# Altium PCB Calipso V2.0 REV2.0.PcbDoc (part 4 of 4) (continued)
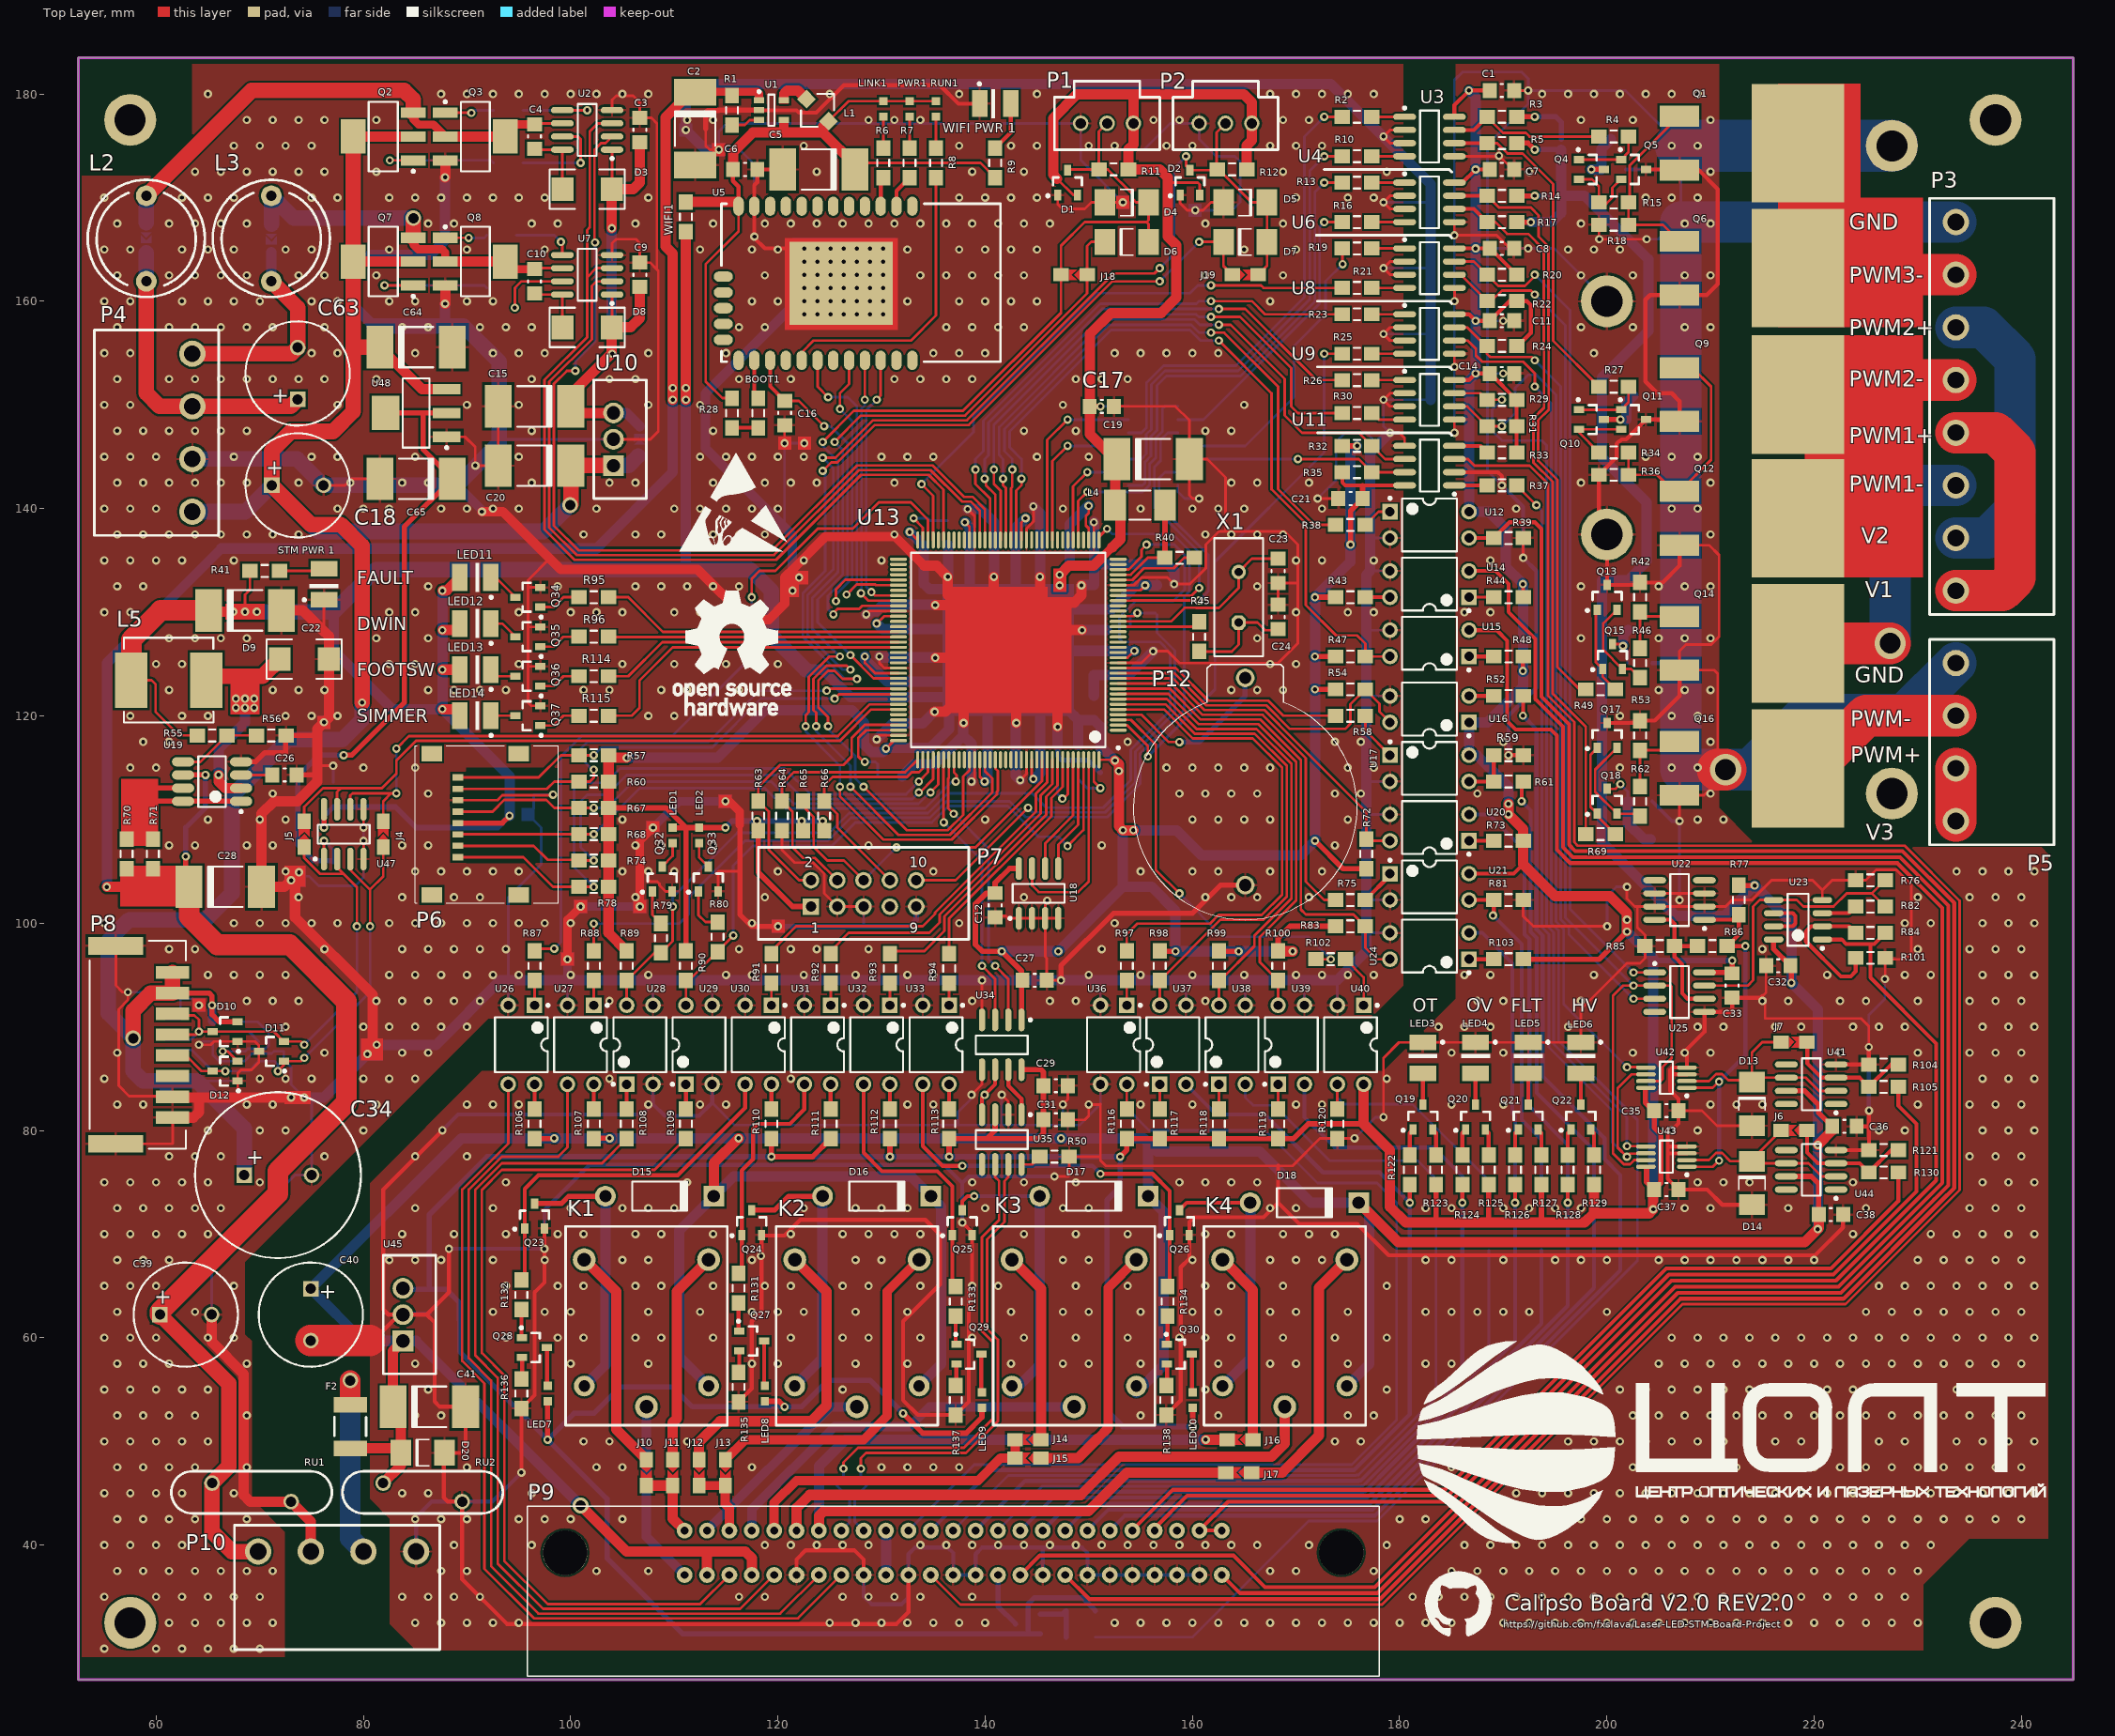
[diagram p0: Top Layer view]
## Nets (pads, with @x,y where several pads share a name; then routed paths per layer and width w, separated by ;. In a path a pad name is that pad's centre, name@x,y a point inside that pad or via, vN(x,y) a via of type N, cw(c..) or ccw(c..) an arc to the next point about the centre after c; other vN are vias at no path point) (continued)
  Bottom Layer w0.254: v1(100.457,153.289) 100.457,154.178 102.362,156.083 v1(102.362,165.681)
TIM1_CH2: U13.64
TIM1_CH2N: U13.63
TIM1_CH3: U13.66
TIM1_CH3N: U13.65
TIM1_CH4: U2.3 U7.3 U13.67 | length 94
  Top Layer w0.254: U7.3@104,163.195 102.476,163.195 101.587,162.306 ; U2.3@104,177.165 102.616,177.165 101.854,176.403 101.854,167.132 101.587,166.865 101.587,162.306 ; U13.67@135.99,136.965 135.99,141.813 134.547,143.256 128.023,143.256 119.83,135.063 100.388,135.063 97.485,137.966 97.485,152.422 101.587,156.524 101.587,162.306
USART1_CTS: U13.103
USART1_RTS: U13.104
USART2_CTS: U13.117
USART2_RTS: U13.118
USART2_RX: D2.3 D5.1 D7.2 J19.1 P2.2 R12.1 U13.122 | length 135.4
  Top Layer w0.254: v1(123.698,118.999) 123.698,120.3 123.444,120.554 123.444,123.571 124.714,124.841 126.619,124.841 v1(127,124.46) ; v1(124.333,144.907) 125.561,144.907 129.171,148.517 138.237,148.517 152.407,162.687 156.337,162.687 v1(156.845,163.195) ; v1(127,113.157) 131.645,108.512 136.586,108.512 140.681,112.607 140.681,113.966 139.99,114.657 U13.122@139.99,115.765 ; v1(159.385,173.99) 159.385,173.031 D2.3@159.766,172.65 R12.1@162.335,172.65 ; P2.2@163.195,177.165 162.335,176.305 R12.1@162.335,172.65 ; J19.1@166.35,162.56 167.2,163.41 D7.2@167.2,165.735 D5.1@167.2,169.545 165.712,169.545 162.537,172.72 R12.1@162.405,172.72 R12.1@162.335,172.65
  Bottom Layer w0.254: v1(123.698,118.999) 123.698,118.491 127,115.189 v1(127,113.157) ; v1(124.333,144.907) 125.349,143.891 125.349,134.112 122.863,131.626 122.863,127.823 126.226,124.46 v1(127,124.46) ; v1(156.845,163.195) 158.242,164.592 158.242,172.847 v1(159.385,173.99)
USART2_TX: D7.1 J19.0 U13.119 | length 109.3
  Top Layer w0.254: v1(124.333,143.637) 125.149,144.453 125.749,144.453 129.359,148.063 138.425,148.063 152.287,161.925 v1(156.845,161.925) ; v1(124.841,118.999) 124.841,119.888 123.898,120.831 123.898,123.383 124.848,124.333 125.482,124.333 126.244,123.571 v1(127.635,123.571) ; v1(128.27,113.157) 132.461,108.966 136.398,108.966 137.887,110.455 137.887,114.138 138.49,114.741 U13.119@138.49,115.765 ; v1(160.655,165.735) D7.1@163,165.735 163,163.41 J19.0@163.85,162.56
  Bottom Layer w0.254: v1(124.333,143.637) 124.568,143.402 124.568,133.973 122.409,131.814 122.409,127.635 126.473,123.571 v1(127.635,123.571) ; v1(124.841,118.999) 124.841,118.745 127.454,116.132 127.454,113.973 v1(128.27,113.157) ; v1(156.845,161.925) v1(160.655,165.735)
USART3_CTS: U5.10 U13.80 | length 25.9
  Top Layer w0.254: v1(129.032,131.949) 129.032,131.953 129.37,131.615 U13.80@131.64,131.615 ; v1(129.54,150.495) 129.921,150.876 U5.10@129.921,154.305
  Bottom Layer w0.254: v1(129.032,131.949) 128.524,132.457 128.524,132.793 128.527,132.796 128.527,148.989 128.524,148.992 128.524,149.479 v1(129.54,150.495)
USART3_RTS: U5.9 U13.81 | length 26.7
  Top Layer w0.254: v1(128.016,131.826) 128.727,131.115 U13.81@131.64,131.115 ; v1(128.397,150.495) U5.9@128.397,154.305
  Bottom Layer w0.254: v1(128.016,131.826) 127.889,131.953 127.889,132.08 128.07,132.261 128.07,132.981 128.073,132.984 128.073,148.801 128.07,148.804 128.07,149.667 128.397,149.994 v1(128.397,150.495)
USART3_RX: U5.6 U13.78 | length 31.2
  Top Layer w0.254: U5.6@123.825,154.305 123.825,151.765 v1(124.841,150.749) ; v1(126.619,131.699) 127.596,132.676 129.415,132.676 129.476,132.615 U13.78@131.64,132.615
  Bottom Layer w0.254: v1(124.841,150.749) 126.746,150.749 127.619,149.876 127.619,149.858 127.616,149.855 127.616,148.616 127.619,148.613 127.619,133.172 127.616,133.169 127.616,132.696 v1(126.619,131.699)
USART3_TX: U5.8 U13.77 | length 32.3
  Top Layer w0.254: v1(125.603,131.064) 125.603,132.207 126.526,133.13 131.625,133.13 U13.77@131.64,133.115 ; v1(125.984,149.606) 125.984,151.13 126.873,152.019 U5.8@126.873,154.305
  Bottom Layer w0.254: v1(125.603,131.064) 125.603,131.711 127.162,133.27 127.162,133.357 127.165,133.36 127.165,146.52 127.165,148.425 v1(125.984,149.606)
USART6_RX: D1.3 D4.1 D6.2 J18.1 P1.2 R11.1 U13.124 | length 124.4
  Top Layer w0.254: v1(122.682,118.999) 122.682,120.058 122.99,120.366 122.99,123.759 124.961,125.73 v1(125.984,125.73) ; v1(124.333,146.431) 127.327,149.425 137.861,149.425 147.32,158.884 147.32,165.354 149.606,167.64 155.575,167.64 ; v1(125.984,113.157) 125.984,112.268 130.194,108.058 136.774,108.058 141.135,112.419 141.135,112.687 141.224,112.776 141.224,114.681 141.013,114.892 141.013,115.742 U13.124@140.99,115.765 ; D1.3@147.955,172.65 148.025,172.72 R11.1@150.975,172.72 ; P1.2@151.765,177.165 150.975,176.375 R11.1@150.975,172.72 ; D6.2@155.77,165.735 155.77,167.445 155.575,167.64 ; R11.1@150.975,172.72 151.846,172.72 154.251,170.315 154.251,169.853 154.559,169.545 D4.1@155.77,169.545 155.77,167.835 155.575,167.64
  Bottom Layer w0.254: v1(122.682,118.999) 122.682,118.491 125.984,115.189 v1(125.984,113.157) ; v1(124.333,146.431) 124.333,146.05 125.803,144.58 125.803,133.924 125.8,133.921 125.8,133.834 123.317,131.351 123.317,128.397 v1(125.984,125.73)
USART6_TX: D6.1 J18.0 U13.96 | length 65.6
  Top Layer w0.254: v1(125.476,146.431) 128.016,148.971 138.049,148.971 149.84,160.762 J18.0@149.84,162.56 149.84,165.334 150.241,165.735 D6.1@151.57,165.735 ; v1(127,125.857) 129.242,123.615 U13.96@131.64,123.615
  Bottom Layer w0.254: v1(125.476,146.431) 126.257,145.65 126.257,133.736 126.254,133.733 126.254,133.646 123.825,131.217 123.825,129.032 v1(127,125.857)
V5V_IMON: U13.21
V5V_VMON: U13.20
VBAT: P12.2 U13.6 | length 16.9
  Top Layer w0.254: U13.6@152.84,120.115 155.094,120.115 157.734,117.475 v2(158.75,117.475)
  Bottom Layer w0.5: v2(158.75,117.475) 160.655,117.475 165.1,121.92 P12.2@165.1,123.665
VCC: C12.2 C13.2 C17.2 C19.1 C21.2 C22.1 C27.1 C45.1 C46.1 C47.1 C48.1 C49.1 C51.1 C52.2 C54.1 C55.1 C56.1 C57.1 C58.1 C60.1 D1.2 D2.2 L4.1 L5.1 LED1.2 LED2.2 LED11.2 LED12.2 LED13.2 LED14.2 P1.1 P2.1 P6.5 P7.1 R11.2 R12.2 R32.2 R35.2 R41.2 R43.2 R47.2 R54.2 R55.1 R57.2 R60.2 R63.1 R65.1 R66.1 R67.2 R68.2 R72.2 R74.2 R78.2 R83.2 R89.2 R90.2 R98.2 R99.2 R100.2 R151.1 R152.1 U11.8 U13.17 U13.30 U13.39 U13.52 U13.62 U13.72 U13.84 U13.95 U13.108 U13.121 U13.131 U13.144 U18.8 U34.1 U46.14 U47.8 WIFI1.2 | length 716.9
  Top Layer w0.254: L5.1@57.601,123.444 59.563,123.444 59.944,123.063 59.944,120.396 62.23,118.11 R55.1@63.98,118.11 ; v1(68.58,130.048) 68.58,131.699 69.06,132.179 R41.2@69.06,133.985 ; v1(128.397,125.73) 128.397,125.102 129.384,124.115 U13.95@131.64,124.115 ; v1(129.54,128.905) 130.25,129.615 U13.84@131.64,129.615 ; v1(130.429,116.84) 131.204,117.615 U13.108@131.64,117.615 ; v1(132.715,137.74) U13.72@133.49,136.965 ; v1(138.049,138.684) 138.49,138.243 U13.62@138.49,136.965 ; U13.121@139.49,115.765 139.49,114.129 v1(139.954,113.665) ; U13.52@143.49,136.965 143.49,138.664 v1(143.891,139.065) ; U13.131@144.49,115.765 144.49,114.082 v1(144.653,113.919) ; 146.937,171.829 148.515,170.25 D1.2@148.905,170.25 ; v1(149.987,140.27) 149.987,139.547 149.718,139.278 149.718,138.362 149.99,138.09 U13.39@149.99,136.965 ; U13.144@150.99,115.765 v1@152.459,115.765 ; U13.17@152.84,125.615 153.747,125.615 v1(154.402,126.27) ; U13.30@152.84,132.115 154.975,132.115 v1(155.448,132.588) ; 157.607,171.45 160.528,171.45 160.716,171.262 D2.2@160.716,170.25
  Top Layer w0.384: 111.113,106.795 111.125,106.807 ; R35.2@174.47,143.51 174.47,142.522 174.752,142.24 U11.8@180.48,142.24
  Top Layer w0.5: v2(76.2,109.22) U47.8@76.2,110.985 ; P6.5@89.126,109.662 93.406,109.662 v1(94.107,110.363) ; LED1.2@109.855,109.208 111.113,109.208 111.125,109.22 ; C17.2@150.082,149.86 150.114,149.86 v1(151.13,149.86) ; v1(171.831,107.95) 174.526,105.255 R72.2@176.784,105.255 ; v2(171.831,122.555) R54.2@173.835,122.555
  Top Layer w0.524: R67.2@103.66,111.125 109.22,111.125 111.125,109.22 ; R90.2@111.125,97.31 111.125,106.807 111.125,109.22 ; v1(114.935,109.22) 111.125,109.22 ; R63.1@117.983,108.557 v1(117.983,109.855) ; R63.1@118.11,108.43 118.11,104.902 121.412,101.6 P7.1@123.19,101.6 ; v1(122.301,109.855) 122.301,108.557 R65.1@122.428,108.43 ; v1(124.333,109.855) 124.333,108.557 R66.1@124.46,108.43 ; U18.8@143.256,105.27 142.354,105.27 140.97,103.886 C12.2@140.97,102.902 140.113,102.902 139.065,101.854 139.065,97.945 139.728,97.282 v1(141.605,97.282) 143.51,95.377 U34.1@143.51,90.665 ; R98.2@156.845,97.31 156.873,97.282 v1(158.369,97.282) ; R99.2@162.588,97.282 v1(164.465,97.282) ; R100.2@168.275,97.31 168.275,98.552 169.418,99.695 R83.2@173.835,99.695 ; v1(171.831,125.73) R47.2@173.835,125.73 ; v1(171.831,131.445) R43.2@173.835,131.445 ; R32.2@174.47,146.05 v1(175.895,146.05) ; v1(175.26,136.525) 175.26,139.795 C21.2@176.435,140.97 176.435,142.208
  Top Layer w0.8: 151.257,135.268 152.26,136.271
  Top Layer w1: C22.1@65.207,130.048 v1(67.437,130.048) ; v2(87.63,120.65) 89.305,120.65 LED14.2@89.305,120.015 ; v2(87.63,124.46) LED13.2@89.305,124.46 ; v2(87.63,128.27) LED12.2@89.027,128.27 ; v2(87.63,132.08) 88.035,132.08 LED11.2@89.305,133.35 ; R57.2@103.66,116.205 R60.2@103.66,113.665 R67.2@103.66,111.125 R68.2@103.66,108.585 R74.2@103.66,106.045 R78.2@103.66,103.505 103.66,99.059 R89.2@105.409,97.31 ; R57.2@103.914,115.951 v1(105.41,115.951) ; v1(111.125,150.495) v1(111.125,151.638) WIFI1.2@111.125,166.723 ; 146.937,171.829 146.558,172.207 146.558,177.673 148.844,179.959 154.305,179.959 ; v1(147.193,133.604) 148.082,134.493 150.482,134.493 151.257,135.268 ; 152.26,136.271 153.035,137.046 153.035,139.835 L4.1@152.535,140.335 152.535,144.605 C19.1@152.71,144.78 152.527,144.78 150.114,147.193 150.114,148.336 150.114,149.86 150.114,156.845 152.146,158.877 156.972,158.877 158.435,160.34 158.435,165.415 157.607,166.243 157.607,171.45 157.607,171.958 156.845,172.72 R11.2@153.825,172.72 153.825,174.653 154.305,175.133 P1.1@154.305,177.165 154.305,179.959 ; v1(152.527,115.697) 152.908,115.316 v1(152.908,114.681) 152.908,109.347 v1(153.289,108.966) v1(154.305,108.966) ; R12.2@165.255,172.72 165.255,175.034 165.735,175.514 P2.1@165.735,177.165 165.735,179.197 164.973,179.959 154.305,179.959 ; R100.2@168.275,97.31 168.303,97.282 v1(169.672,97.282)
  Top Layer w2: L5.1@57.601,123.444 57.601,127.324 60.452,130.175 C22.1@65.08,130.175
  Bottom Layer w0.254: v1(151.13,149.86) U46.14@153.81,149.86
  Bottom Layer w0.524: v2(76.2,109.22) 76.2,110.331 C13.2@77.089,111.22 83.09,111.22 85.09,109.22 92.964,109.22 v1(94.107,110.363) ; v1(114.935,109.22) 115.57,109.855 v1(117.983,109.855) v1(122.301,109.855) v1(124.333,109.855)
  Bottom Layer w1: v1(67.437,130.048) v1(68.58,130.048) ; 77.142,130.048 77.142,126.312 82.804,120.65 v2(87.63,120.65) ; v2(87.63,132.08) v2(87.63,128.27) v2(87.63,124.46) v2(87.63,120.65) ; v1(94.107,110.363) 94.107,114.173 v2(87.63,120.65) ; v1(105.41,115.951) 114.173,115.951 118.745,120.523 127.127,120.523 128.34,119.31 128.34,117.232 129.043,116.529 130.118,116.529 v1(130.429,116.84) 130.524,116.935 C55.1@133.985,116.935 134.715,116.935 136.515,118.735 136.515,120.513 ; v1(111.125,151.638) v1(111.125,150.495) 111.125,134.366 111.379,134.112 ; 122.682,124.46 124.333,124.46 127,121.793 136.017,121.793 ; v1(128.397,125.73) 128.397,125.43 130.542,123.285 C52.2@133.985,123.285 136.239,123.285 ; v1(129.54,128.905) 130.08,128.365 C49.1@133.985,128.365 136.811,128.365 ; v1(132.715,137.74) 134.08,136.375 134.08,132.747 134.62,132.207 136.271,132.207 ; v1(138.049,138.684) 138.525,138.208 C47.1@138.525,134.62 138.525,131.731 ; v1(139.954,113.665) 140.24,113.951 C57.1@140.24,118.11 140.24,120.745 140.208,120.777 ; v1(141.605,97.282) v1(147.066,97.282) 153.289,103.505 ; 142.97,131.54 C46.1@142.97,134.62 142.97,138.144 v1(143.891,139.065) ; v1(144.653,113.919) 144.78,113.919 145.32,114.459 C56.1@145.32,118.11 145.32,120.872 ; v1@147.193,132.461 v1(147.193,132.588) v1(147.193,133.604) 147.193,133.636 C45.1@148.177,134.62 148.177,138.46 v1(149.987,140.27) ; 147.701,120.904 148.59,120.015 148.99,119.615 ; 147.733,126.27 C51.1@150.495,126.27 v1(154.402,126.27) ; 147.923,130.27 C48.1@150.495,130.27 152.241,130.27 154.559,132.588 v1(155.448,132.588) 156.563,132.588 R151.1@156.591,132.616 ; R152.1@148.99,117.19 148.99,119.615 ; v1(152.908,114.681) 152.908,115.316 v1(152.527,115.697) 151.352,116.872 C58.1@151.13,116.872 151.13,118.967 C54.1@150.495,119.602 149.003,119.602 148.99,119.615 ; v1(169.672,97.282) v1(164.465,97.282) v1(158.369,97.282) 158.369,101.219 156.083,103.505 153.289,103.505 ; v1(175.895,146.05) 175.26,145.415 v1(175.26,136.525) 175.26,134.874 v1(171.831,131.445) v1(171.831,125.73) v2(171.831,122.555) v1(171.831,107.95) 170.434,106.553 160.909,106.553 158.496,108.966 v1(154.305,108.966) v1(153.289,108.966) 153.289,103.505
  Bottom Layer w1.5: v1(69.723,130.048) 77.142,130.048 81.206,134.112 111.379,134.112 117.348,134.112 119.38,132.08 119.38,127.762 122.682,124.46
VDC: C18.1 C20.1 C34.1 C64.1 D10.2 D12.2 D21.2 D23.2 J1.0 P4.4 P8.1 P8.2 P11.1 P11.2 P11.3 Q2.2 Q2.4 Q7.2 Q7.4 U10.1 U48.3 | length 247.4
  Top Layer w0.254: v1(66.43,87.63) 66.92,87.63 D12.2@67.875,86.675
  Top Layer w0.5: P8.2@61.595,93.25 65.119,93.25 65.405,92.964 v1(65.405,92.075) 65.405,91.186 66.106,90.485 D10.2@67.875,90.485
  Top Layer w1: Q7.4@79.015,163.83 Q7.2@84.815,163.83 ; Q2.4@79.015,175.895 Q2.2@84.815,175.895 ; C64.1@81.59,155.575 85.64,151.525 U48.3@88.04,151.525
  Top Layer w1.5: v3(57.785,88.9) 57.785,91.567 59.468,93.25 P8.2@61.595,93.25 P8.1@61.595,95.25 ; Q2.4@79.015,175.895 Q7.4@79.015,163.83 79.015,155.702 ; v2(79.883,121.285) 79.883,136.398 77.817,138.464 74.936,138.464 C18.1@71.16,142.24 71.16,145.582 73.025,147.447 77.089,147.447 79.015,149.373 79.015,155.702 ; C64.1@81.59,155.575 79.142,155.575 79.015,155.702 ; v3(99.949,140.335) 100.02,140.406 C20.1@100.02,144.145 U10.1@104.14,144.145
  Bottom Layer w0.254: 63.952,84.765 63.962,84.775 D23.2@67.875,84.775 ; D21.2@65.475,90.485 69.789,90.485 70.866,89.408 70.866,88.214 70.536,87.884 68.834,87.884 68.58,87.63 v1(66.43,87.63)
  Bottom Layer w0.8: v1(65.405,92.075) 65.405,90.555 D21.2@65.475,90.485
  Bottom Layer w1.5: P4.4@63.5,139.7 68.62,139.7 C18.1@71.16,142.24 75.605,137.795 97.409,137.795 v3(99.949,140.335) ; C34.1@68.505,75.692 68.505,80.212 63.952,84.765 P11.2@60.96,84.765 58.745,84.765 57.785,85.725 v3(57.785,88.9) 55.372,91.313 55.372,98.298 57.404,100.33 64.77,100.33 67.31,102.87 67.31,112.268 72.771,117.729 77.978,117.729 79.883,119.634 v2(79.883,121.285) ; U10.1@104.14,144.145 105.598,144.145 J1.0@106.52,145.067
VDD_IMON: U13.19
VDD_VMON: U13.18
VM_CSN: R30.2 U13.56 | length 55.5
  Top Layer w0.254: v1(140.843,143.764) 140.843,142.367 141.49,141.72 U13.56@141.49,136.965 ; v1(161.798,158.496) 164.592,158.496 169.545,153.543 169.545,149.86 170.18,149.225 R30.2@174.47,149.225
  Bottom Layer w0.254: v1(140.843,143.764) 140.843,148.078 151.515,158.75 160.354,158.75 160.608,158.496 v1(161.798,158.496)
VMON_NCS: R31.1 U9.6 U42.5 | length 84.4
  Top Layer w0.254: U9.6@185.28,149.86 186.535,149.86 R31.1@188.44,147.955 v1(189.865,147.955) ; v1(201.93,86.106) 203.724,86.106 U42.5@203.765,86.065
  Bottom Layer w0.254: v1(189.865,147.955) 191.135,149.225 191.135,151.638 192.405,152.908 193.167,152.908 195.092,150.983 195.092,100.169 195.834,99.427 195.834,92.202 v1(201.93,86.106)
WIFI3V3: C5.1 C6.2 L1.1 LINK1.2 PWR1.2 R9.2 R28.1 RUN1.2 U1.4 U5.24 WIFI1.1 | length 72
  Top Layer w0.254: R28.1@115.57,150.65 114.653,150.65 113.03,152.273 113.03,163.576 116.205,166.751 U5.24@116.205,169.175 ; L1.1@124.886,177.374 126.823,179.312 LINK1.2@130.175,179.312 PWR1.2@132.715,179.312 RUN1.2@135.255,179.312 ; C5.1@128.27,173.355 139.545,173.355 R9.2@140.97,171.93
  Top Layer w0.384: C6.2@115.665,172.72 115.665,171.609 116.205,171.069 U5.24@116.205,169.175
  Top Layer w1: WIFI1.1@111.125,169.573 U5.24@116.177,169.573 ; C6.2@115.665,172.72 115.665,174.339 117.602,176.276 124.33,176.276 ; L1.1@124.886,177.374 124.33,176.819 124.33,176.276 ; C5.1@127.452,172.72 127.452,173.154 124.33,176.276
WIFI_RST: C16.2 U5.3 U13.82 | length 36.5
  Top Layer w0.254: C16.2@120.65,150.4 122.015,150.4 v1(124.46,147.955) ; v1(125.349,129.794) 125.349,129.921 125.765,130.337 127.851,130.337 128.129,130.615 U13.82@131.64,130.615
  Top Layer w0.384: U5.3@119.253,154.305 119.253,151.797 C16.2@120.65,150.4
  Bottom Layer w0.254: v1(124.46,147.955) 125.088,147.955 126.711,146.332 126.711,133.548 126.708,133.545 126.708,133.458 124.841,131.591 124.841,130.302 v1(125.349,129.794)
pads on no net: P6.0 P7.7 P9.NC P11.4 P11.7 P11.11 P11.12 U5.1 U5.4 U5.7 U5.11 U5.12 U5.13 U5.16 U5.17 U5.18 U5.19 U5.20 U5.21 U5.22 U5.26 U5.27 U5.28 U5.29 U5.30 U13.3 U13.26 U13.27 U13.35 U13.36 U13.40 U13.43 U13.44 U13.45 U13.48 U13.49 U13.50 U13.73 U13.74 U13.75 U13.76 U13.79 U13.85 U13.86 U13.91 U13.92 U13.93 U13.100 U13.123 U13.125 U13.126 U13.127 U13.128 U13.129 U13.132 U22.4 U22.5 U25.4 U35.5 U41.1 U41.5 U41.8 U44.1 U44.5 U44.8

## Polygon pours and split planes (outlines as drawn)
no net on Top Overlay "Bottom Overlay-No Net" (solid): 239.135,44.755 239.169,44.796 239.195,44.844 239.212,44.897 239.217,44.953 239.217,45.375 239.211,45.431 239.194,45.484 239.168,45.532 239.133,45.573 239.091,45.608 239.043,45.634 238.991,45.651 238.936,45.657 238.514,45.657 238.458,45.651 238.405,45.634 238.357,45.608 238.316,45.574 238.281,45.532 238.255,45.484 238.239,45.432 238.233,45.375 238.233,44.953 238.239,44.897 238.255,44.844 238.281,44.796 238.315,44.754 238.357,44.72 238.405,44.694 238.457,44.678 238.514,44.672 238.936,44.672 238.993,44.678 239.045,44.694 239.093,44.72
no net on Top Overlay "Bottom Overlay-No Net" (solid): 236.913,44.755 236.947,44.796 236.973,44.844 236.99,44.897 236.996,44.953 236.996,45.375 236.99,45.431 236.973,45.484 236.946,45.532 236.911,45.573 236.869,45.608 236.821,45.634 236.769,45.651 236.714,45.657 236.293,45.657 236.236,45.651 236.183,45.634 236.136,45.608 236.094,45.574 236.06,45.532 236.034,45.484 236.017,45.432 236.011,45.375 236.011,44.953 236.017,44.897 236.033,44.844 236.059,44.796 236.093,44.754 236.135,44.72 236.183,44.694 236.236,44.678 236.293,44.672 236.714,44.672 236.771,44.678 236.824,44.694 236.871,44.72
no net on Top Overlay "Bottom Overlay-No Net" (solid): 229.616,44.757 229.65,44.799 229.676,44.847 229.692,44.899 229.698,44.953 229.698,45.024 229.69,45.081 229.673,45.134 229.646,45.181 229.612,45.223 229.57,45.257 229.523,45.283 229.471,45.299 229.416,45.305 228.854,45.305 228.854,45.657 228.713,45.657 228.713,44.672 229.416,44.672 229.474,44.678 229.527,44.695 229.575,44.722
no net on Top Overlay "Bottom Overlay-No Net" (solid): 227.394,45.038 227.428,45.08 227.454,45.128 227.47,45.18 227.476,45.235 227.476,45.375 227.469,45.432 227.451,45.485 227.425,45.533 227.39,45.574 227.349,45.609 227.301,45.635 227.25,45.651 227.195,45.657 226.491,45.657 226.491,44.672 226.632,44.672 226.632,44.953 227.195,44.953 227.252,44.959 227.305,44.976 227.353,45.003
no net on Top Overlay "Bottom Overlay-No Net" (solid): 224.171,44.672 224.031,44.672 224.031,44.953 223.328,44.953 223.328,44.672 223.187,44.672 223.187,45.375 223.193,45.43 223.209,45.482 223.234,45.53 223.269,45.572 223.31,45.607 223.358,45.634 223.411,45.651 223.468,45.657 223.89,45.657 223.945,45.651 223.997,45.635 224.044,45.609 224.085,45.574 224.12,45.533 224.147,45.485 224.164,45.432 224.171,45.375
no net on Top Overlay "Bottom Overlay-No Net" (solid): 208.246,45.128 208.262,45.18 208.267,45.235 208.267,45.375 208.26,45.432 208.243,45.485 208.216,45.533 208.182,45.574 208.14,45.609 208.093,45.635 208.041,45.651 207.986,45.657 207.283,45.657 207.283,44.672 207.424,44.672 207.424,44.953 207.986,44.953 208.043,44.959 208.097,44.976 208.144,45.003 208.186,45.038 208.22,45.08
no net on Top Overlay "Bottom Overlay-No Net" (solid): 209.83,44.755 209.864,44.796 209.89,44.844 209.907,44.897 209.913,44.953 209.913,45.375 209.907,45.431 209.89,45.484 209.863,45.532 209.828,45.573 209.786,45.608 209.738,45.634 209.686,45.651 209.631,45.657 209.21,45.657 209.153,45.651 209.1,45.634 209.053,45.608 209.011,45.574 208.976,45.532 208.95,45.484 208.934,45.432 208.928,45.375 208.928,44.953 208.934,44.897 208.95,44.844 208.976,44.796 209.01,44.754 209.052,44.72 209.1,44.694 209.153,44.678 209.21,44.672 209.631,44.672 209.688,44.678 209.741,44.694 209.788,44.72
no net on Top Overlay "Bottom Overlay-No Net" (solid): 221.283,48.186 221.508,48.599 221.65,49.055 221.7,49.544 221.7,53.193 221.648,53.678 221.501,54.133 221.27,54.546 220.967,54.907 220.604,55.206 220.191,55.432 219.742,55.576 219.267,55.626 215.618,55.626 215.129,55.576 214.673,55.434 214.26,55.209 213.9,54.911 213.602,54.551 213.377,54.138 213.235,53.682 213.185,53.193 213.185,49.544 213.234,49.052 213.375,48.594 213.599,48.181 213.895,47.821 214.255,47.525 214.668,47.301 215.126,47.16 215.618,47.111 219.267,47.111 219.756,47.161 220.212,47.303 220.625,47.528 220.985,47.826
no net on Top Overlay "Top Overlay-No Net" (solid): 359 vertices, not listed, extent 182.485,31.256 188.863,37.471
no net on Top Overlay "Top Overlay-No Net" (solid): 110.49,135.89 121.403,135.89 118.845,140.321 117.852,142.038 115.947,145.343
IGND on Top Layer "Mechanical 4-No Net" (solid, pour order 1): 80.645,44.45 82.55,42.545 82.55,32.385 85.09,29.845 230.505,29.845 230.505,36.195 234.95,40.64 242.57,40.64 242.57,106.68 241.935,107.315 214.63,107.315 210.82,111.125 210.82,182.88 185.42,182.88 185.42,92.71 178.435,85.725 91.44,85.725 80.645,74.93
GND on Top Layer "Mechanical 2-No Net" (solid, pour order 5): 68.58,60.325 68.58,67.31 77.47,76.2 92.075,90.805 177.165,90.805 180.34,93.98 180.34,182.88 63.5,182.88 63.5,175.895 59.69,172.085 52.705,172.085 52.705,29.21 72.39,29.21 72.39,41.275 69.215,44.45 69.215,59.69
IGND on Bottom Layer "Mechanical 4-No Net 1" (solid, pour order 0): 80.645,44.45 82.55,42.545 82.55,32.385 85.09,29.845 230.505,29.845 230.505,36.195 234.95,40.64 242.57,40.64 242.57,106.68 241.935,107.315 214.63,107.315 210.82,111.125 210.82,182.88 185.42,182.88 185.42,92.71 178.435,85.725 91.44,85.725 80.645,74.93
GND on Bottom Layer "Mechanical 2-No Net 1" (solid, pour order 6): 68.58,60.325 68.58,67.31 77.47,76.2 92.075,90.805 177.165,90.805 180.34,93.98 180.34,182.88 63.5,182.88 63.5,175.895 59.69,172.085 52.705,172.085 52.705,29.21 72.39,29.21 72.39,41.275 69.215,44.45 69.215,59.69

## Keep-outs
Keep-Out Layer:
  the board outline again, w0.254

## Other copper
Top Layer:
  rectangle net NetP3_7: 224.5,157.5 230.5,170
  rectangle net NetP3_7: 216.5,157.5 224.5,181
  rectangle net GND: 120.65,157.226 131.572,166.116
  rectangle net GND: 113.665,173.99 114.935,175.26
  rectangle net GND: 152.654,168.91 153.924,170.18
  rectangle net GND: 121.92,145.669 123.19,146.939
  rectangle net GND: 120.015,145.669 121.285,146.939
  rectangle net GND: 121.031,132.69 122.936,133.985
  rectangle net GND: 120.777,131.445 122.047,132.715
  rectangle net GND: 63.5,91.44 64.77,92.71
  rectangle net GND: 119.38,99.06 120.65,100.33
  rectangle net GND: 106.045,100.965 107.315,102.235
  rectangle net GND: 100.33,100.965 101.6,102.235
  rectangle net GND: 99.06,95.885 100.33,97.155
  rectangle net GND: 72.39,103.505 74.422,105.537
  rectangle net GND: 114.3,111.125 115.57,112.395
  rectangle net GND: 107.315,108.585 108.585,109.855
  rectangle net GND: 75.565,118.745 76.835,120.015
  rectangle net GND: 72.39,82.55 74.93,83.82
  rectangle net GND: 79.756,86.741 81.915,88.9
  rectangle net WIFI3V3: 120.142,176.657 121.031,177.292
  rectangle net NetL1_2: 120.142,179.07 121.031,180.213
  rectangle net NetP3_5: 219.075,133.35 230.505,156.718
  rectangle net GND: 136.144,120.269 146.05,132.461
  rectangle net 5V: 56.515,101.6 63.119,105.537
  rectangle net NetR70_1: 56.642,107.442 60.198,113.919
  rectangle net NetD9_2: 67.183,120.142 69.977,123.825
  rectangle net VCC: 66.675,129.286 70.485,130.81
  rectangle net GND: 146.05,120.269 148.336,131.445
  rectangle net VCC: 146.558,131.953 147.828,134.239
  pour cut-out: 89.916,105.791 98.806,105.791 98.806,114.998 89.916,114.998
Bottom Layer:
  rectangle net GND: 121.412,157.734 131.318,166.116
  rectangle net VDC: 60.325,83.82 61.595,85.725
  rectangle net GND: 110.49,175.895 111.76,177.165
  rectangle net GND: 113.665,173.99 114.935,175.26
  rectangle net GND: 152.654,168.91 153.924,170.18
  rectangle net GND: 159.639,168.148 160.909,169.418
  rectangle net GND: 121.92,145.669 123.19,146.939
  rectangle net GND: 120.015,145.669 121.285,146.939
  rectangle net GND: 121.666,132.715 122.682,133.985
  rectangle net GND: 120.777,131.445 122.057,132.715
  rectangle net GND: 63.5,91.44 64.77,92.71
  rectangle net GND: 95.25,109.855 96.52,111.125
  rectangle net GND: 119.38,99.06 120.65,100.33
  rectangle net GND: 106.045,100.965 107.315,102.235
  rectangle net GND: 100.33,100.965 101.6,102.235
  rectangle net GND: 99.06,95.885 100.33,97.155
  rectangle net GND: 114.3,111.125 115.57,112.395
  rectangle net GND: 107.315,108.585 108.585,109.855
  rectangle net GND: 72.39,103.505 74.422,105.537
  rectangle net GND: 79.756,86.741 81.915,88.9
  rectangle net GND: 72.39,82.55 74.93,83.82
  rectangle net VCC: 135.89,120.015 148.59,132.715
  rectangle net NetD9_2: 67.183,120.142 69.977,122.428
  rectangle net VCC: 66.675,129.286 70.485,130.81
  rectangle net GND: 75.565,118.745 76.835,120.015

## Silkscreen, mask and mechanical layers (free items; w line width, h text height)
Top Overlay:
  drawing of 2098 lines, arcs and shapes, not listed
  text "GND" at 223.393,166.878 h1.52
  text "PWM3-" at 223.393,161.798 h1.52
  text "PWM2+" at 223.393,156.718 h1.52
  text "PWM2-" at 223.393,151.765 h1.52
  text "PWM1+" at 223.393,146.304 h1.52
  text "PWM1-" at 223.393,141.605 h1.52
  text "V2" at 224.536,136.652 h1.52
  text "FAULT" at 79.375,132.715 h1.25
  text "V1" at 224.917,131.445 h1.52
  text "DWIN" at 79.375,128.27 h1.25
  text "FOOTSW" at 79.375,123.825 h1.25
  text "GND" at 223.901,123.19 h1.52
  text "SIMMER" at 79.375,119.38 h1.25
  text "PWM-" at 223.5,119 h1.52
  text "PWM+" at 223.5,115.5 h1.52
  text "V3" at 225,108 h1.52
  text "OT" at 181.229,91.44 h1.25
  text "OV" at 186.436,91.44 h1.25
  text "FLT" at 190.754,91.44 h1.25
  text "HV" at 196.596,91.44 h1.25
  text "Calipso Board V2.0 REV2.0" at 190.119,33.655 h1.52
  text "https://github.com/fxslava/Laser-LED-STM-Board-Project" at 189.992,32.004 h0.7
Mechanical 2:
  lines w0.127: 72.39,29.21 52.705,29.21 52.705,172.085 59.69,172.085 63.5,175.895 63.5,182.88 180.34,182.88 180.34,139.065 180.34,93.98 177.165,90.805 92.075,90.805 77.47,76.2
  lines w0.254: 72.39,29.21 72.39,41.275 69.215,44.45 69.215,59.69 68.58,60.325 68.58,63.881 68.58,67.31 77.47,76.2
Mechanical 3:
  lines w0.127: 84.455,104.775 84.455,114.3 93.345,114.3 93.345,104.775 84.455,104.775
Mechanical 4:
  lines w0.127: 91.44,85.725 178.435,85.725 185.42,92.71 185.42,182.88 210.82,182.88 210.82,111.125 214.63,107.315 241.935,107.315 242.57,106.68 242.57,52.07
  lines w0.254: 91.44,85.725 80.645,74.93 80.645,56.515 80.645,44.45 82.55,42.545 82.55,32.385 85.09,29.845 230.505,29.845 230.505,36.195 234.95,40.64 242.57,40.64 242.57,52.07
Mechanical 15:
  lines w0.064: 97.409,168.783 105.791,168.783 105.791,172.847 97.409,172.847 97.409,168.783 ; 97.536,155.448 105.664,155.448 105.664,159.512 97.536,159.512 97.536,155.448
  lines w0.127: 101.092,157.48 102.108,157.48 ; 101.092,170.815 102.108,170.815 ; 101.6,156.972 101.6,157.988 ; 101.6,170.307 101.6,171.323 ; 52.5,27 244.983,27 244.983,183.5 52.5,183.5 52.5,27 ; 53.34,137.16 66.294,137.16 66.294,157.353 66.167,157.48 53.34,157.48 53.34,137.16 ; 230.886,107.315 243.713,107.315 243.713,127.635 230.886,127.635 230.886,107.315 ; 230.886,129.54 243.713,129.54 243.713,170.18 230.886,170.18 230.886,129.54

## Dimensions
57.5,32.5 to 237.5,32.5 on Mechanical 5
57.5,177.5 to 57.5,32.5 on Mechanical 5
237.5,177.5 to 237.5,32.5 on Mechanical 5
57.5,177.5 to 237.5,177.5 on Mechanical 5
245,183.5 to 245,27 on Mechanical 5
52.5,183.5 to 245,183.5 on Mechanical 5

## Text inside footprints (layer, text, board x,y; h text height)
C18: Top Overlay "+" at 70.612,143.256 h1.5
C34: Top Overlay "+" at 68.707,76.708 h1.5
C39: Top Overlay "+" at 59.817,63.246 h1.5
C40: Top Overlay "+" at 75.946,65.278 h1.5 r270
C63: Top Overlay "+" at 72.644,149.987 h1.5 r90
P7: Top Overlay "10" at 132.715,105.41 h1; Top Overlay "9" at 132.715,99.06 h1; Top Overlay "1" at 123.19,99.06 h1; Top Overlay "2" at 122.555,105.41 h1